# Altium PCB ESP32-C3_V1.PcbDoc (part 1 of 2) (continued)
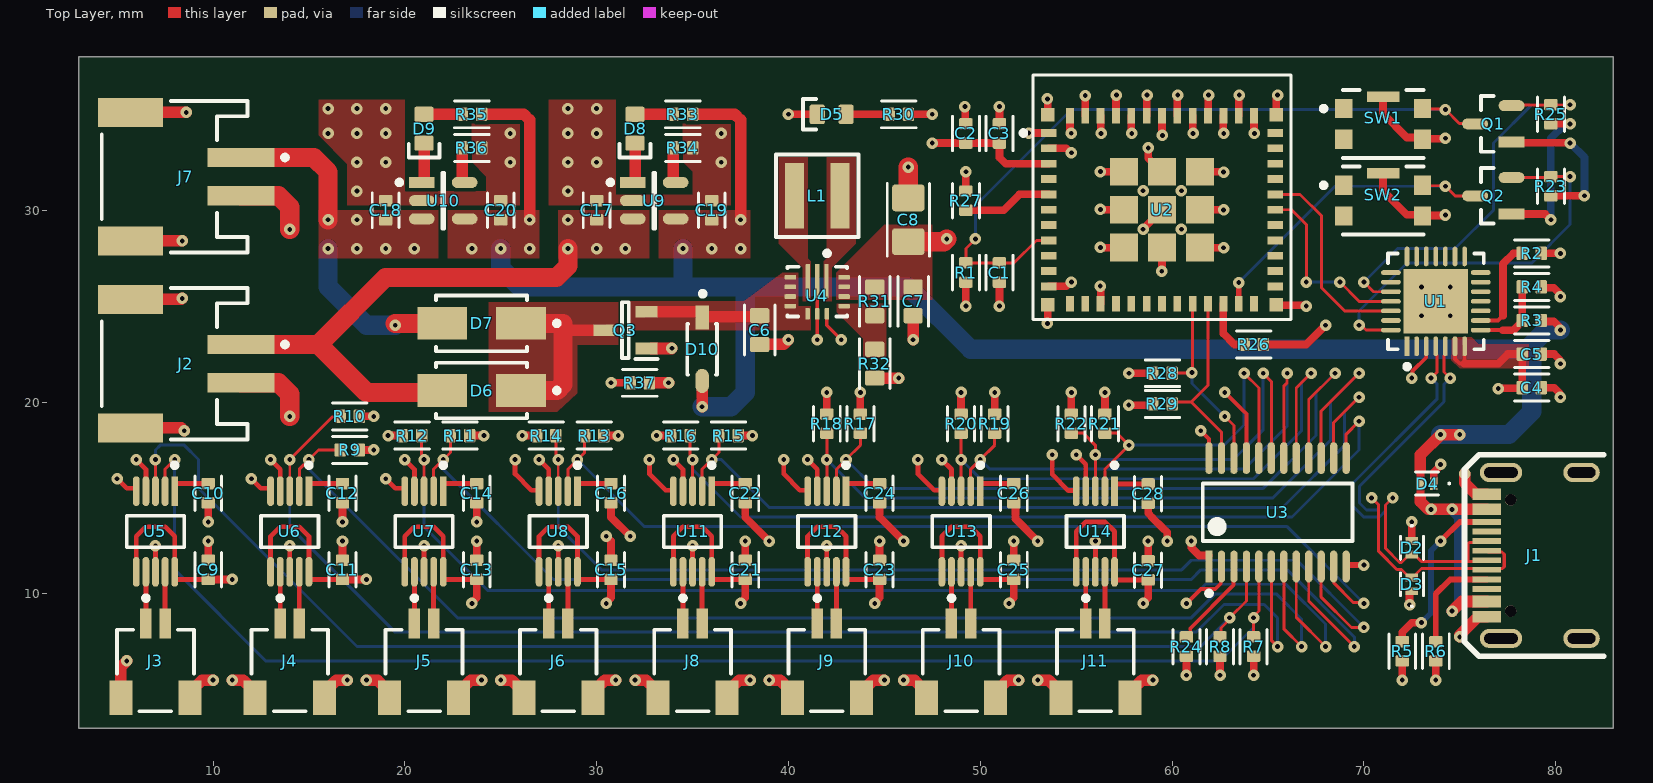
[diagram p0: Top Layer view]
## Part data (continued)
D5 D8 D9: library part 150060GS75000, "LED GREEN CLEAR 0603 SMD", Color=Green, Forward Current=30mA, JLCPCB Part=C5252984, Manufacturer="Wurth Electronics", Max Operating Temperature=85°C, Min Operating Temperature=-40°C, Supplier Part Number=732-4971-1-ND, Category=LEDs, Channels=1, ComponentLink1Description=https://datasheet.ciiva.com:443/pdfs/VipMasterIC/IC/MIDC/MIDC-S-A0007790169/MIDC-S-A0007790169-1.pdf?src-supplier=IHS+Markit, ComponentLink1URL=https://datasheet.ciiva.com:443/pdfs/VipMasterIC/IC/MIDC/MIDC-S-A0007790169/MIDC-S-A0007790169-1.pdf?src-supplier=IHS+Markit, ComponentLink2Description=https://datasheet.ciiva.com/29562/150060gs75000-29562868.pdf?src-supplier=Digikey, ComponentLink2URL=https://datasheet.ciiva.com/29562/150060gs75000-29562868.pdf?src-supplier=Digikey, ComponentLink3Description=https://datasheet.ciiva.com/29279/759427-da-01-en-chipled-0603-w-kl-gruen-150060gs75000-29279201.pdf?src-supplier=Conrad, ComponentLink3URL=https://datasheet.ciiva.com/29279/759427-da-01-en-chipled-0603-w-kl-gruen-150060gs75000-29279201.pdf?src-supplier=Conrad, ComponentLink4Description=https://datasheet.ciiva.com/29562/150060gs75000-29562869.pdf?src-supplier=Digikey, ComponentLink4URL=https://datasheet.ciiva.com/29562/150060gs75000-29562869.pdf?src-supplier=Digikey, ComponentLink5Description=https://datasheet.ciiva.com/29562/150060gs75000-29562870.pdf?src-supplier=Digikey, ComponentLink5URL=https://datasheet.ciiva.com/29562/150060gs75000-29562870.pdf?src-supplier=Digikey, Lens Style="WATER CLEAR", Luminous Intensity-Nom=430mcd, Manufacturer Part Number=150060GS75000, Mounting Technology="Surface Mount", Optoelectronic Device Type="SINGLE COLOR LED", Overall Height=0.7mm, Packaging="Tape and Reel", Pins=2, Pricing="1=0,14, 50=0,1278, 100=0,1098, 500=0,10124 (USD)", Reach SVHC Compliant=Yes, RoHS=Yes, RoHS Compliant=Yes, Shape=Rectangular, Size=1.1mm, Stock=127206, Supplier=Digikey, Terminal Pitch=1.6mm, Viewing Angle=140°
D6 D7: library part CDBA240LL-HF, "DIODE SCHOTTKY 40V 2A DO214AC", Forward Voltage=350mV, JLCPCB Part=C2886093, Manufacturer=Comchip, Max Operating Temperature=100°C, Max Output current=2A, Non-rep Pk Forward Current-Max=70A, Rep Pk Reverse Voltage-Max=40V, Supplier Part Number=641-1698-1-ND, Category="Rectifier Diodes", ComponentLink1Description=https://datasheet.ciiva.com:443/pdfs/VipMasterIC/IC/COMC/COMC-S-A0004523805/COMC-S-A0004523805-1.pdf?src-supplier=IHS+Markit, ComponentLink1URL=https://datasheet.ciiva.com:443/pdfs/VipMasterIC/IC/COMC/COMC-S-A0004523805/COMC-S-A0004523805-1.pdf?src-supplier=IHS+Markit, ComponentLink2Description=http://www.mouser.com/ds/2/80/CDBA240LL-HF%20RevC514247-365530.pdf?src-supplier=Mouser, ComponentLink2URL=http://www.mouser.com/ds/2/80/CDBA240LL-HF%20RevC514247-365530.pdf?src-supplier=Mouser, ComponentLink3Description="http://www.comchiptech.com/admin/files/product/CDBA240LL-HF RevC514247.pdf?src-supplier=Digikey", ComponentLink3URL="http://www.comchiptech.com/admin/files/product/CDBA240LL-HF RevC514247.pdf?src-supplier=Digikey", ComponentLink4Description=http://www.comchiptech.com/cms/UserFiles/CDBA240LL-HF%20RevC514247.pdf?src-supplier=Digikey, ComponentLink4URL=http://www.comchiptech.com/cms/UserFiles/CDBA240LL-HF%20RevC514247.pdf?src-supplier=Digikey, Diode Type=RECTIFIER, Manufacturer Part Number=CDBA240LL-HF, Number of Elements=1, Pricing="1=0,58, 10=0,492, 100=0,3727, 500=0,29744, 1000=0,22928, 2000=0,22727 (USD)", Reach SVHC Compliant=Yes, RoHS=Yes, RoHS Compliant=Yes, Stock=116723, Supplier=Digikey, Surface Mount=Yes, Technology=SCHOTTKY
D10: library part 1N5819HW-7-F, "DIODE SCHOTTKY 40V 1A SOD123", Forward Voltage=320mV, JLCPCB Part=C82544, Manufacturer=Diodes, Max Operating Temperature=125°C, Max Output current=1A, Max Power Dissipation=450mW, Min Operating Temperature=-65°C, Non-rep Pk Forward Current-Max=25A, Package Body Material=Plastic, Package Shape=Rectangular, Package Style="SMALL OUTLINEMeter", Peak Reflow Temperature (Cel)=260°C, Rep Pk Reverse Voltage-Max=40V, Supplier Part Number=7082197P, Time @ Peak Reflow Temperature-Max (s)=40s, Category=LDO, ComponentLink1Description=https://datasheet.ciiva.com:443/pdfs/VipMasterIC/IC/DIOD/DIOD-S-A0009689747/DIOD-S-A0009691035-1.pdf?src-supplier=IHS+Markit, ComponentLink1URL=https://datasheet.ciiva.com:443/pdfs/VipMasterIC/IC/DIOD/DIOD-S-A0009689747/DIOD-S-A0009691035-1.pdf?src-supplier=IHS+Markit, ComponentLink2Description=https://datasheet.ciiva.com/27092/1538419-27092484.pdf?src-supplier=Jameco, ComponentLink2URL=https://datasheet.ciiva.com/27092/1538419-27092484.pdf?src-supplier=Jameco, ComponentLink3Description=https://datasheet.ciiva.com/16303/ds30217-16303296.pdf?src-supplier=Future+Electronics, ComponentLink3URL=https://datasheet.ciiva.com/16303/ds30217-16303296.pdf?src-supplier=Future+Electronics, ComponentLink4Description=https://datasheet.ciiva.com/1177/ds30217-1177089.pdf?src-supplier=Element14, ComponentLink4URL=https://datasheet.ciiva.com/1177/ds30217-1177089.pdf?src-supplier=Element14, ComponentLink5Description=https://datasheet.ciiva.com/8303/ds30217-8303132.pdf?src-supplier=Avnet, ComponentLink5URL=https://datasheet.ciiva.com/8303/ds30217-8303132.pdf?src-supplier=Avnet, ComponentLink6Description=https://datasheet.ciiva.com/912/ds30217-912802.pdf?src-supplier=Digikey, ComponentLink6URL=https://datasheet.ciiva.com/912/ds30217-912802.pdf?src-supplier=Digikey, ComponentLink7Description=https://datasheet.ciiva.com/912/ds30217-912803.pdf?src-supplier=Digikey, ComponentLink7URL=https://datasheet.ciiva.com/912/ds30217-912803.pdf?src-supplier=Digikey, ComponentLink8Description=https://datasheet.ciiva.com/912/ds30217-912801.pdf?src-supplier=Digikey, ComponentLink8URL=https://datasheet.ciiva.com/912/ds30217-912801.pdf?src-supplier=Digikey, Diode Element Material=SILICON, Diode Type=RECTIFIER, JESD-30 Code=R-PDSO-G2, JESD-609 Code=e3, Manufacturer Part Number=1N5819HW-7-F, Moisture Sensitivity Level=1, Number of Elements=1, Pins=2, Pricing="150=0,172, 750=0,114, 1500=0,088 (EUR)", Qualification Status="Not Qualified", Reach SVHC Compliant=Yes, RoHS=Yes, RoHS Compliant=Yes, Stock=273725, Supplier=Rs, Surface Mount=Yes, Technology=SCHOTTKY, Terminal Finish=Tin, Terminal Form="Gull Wing", Terminal Position=DUAL
J1: "USB Type C Connector Horizontal SMT", JLCPCB Part=C165948, Manufacturer="Koren Hroparts", Manufacturer Part Number=TYPE-C-31-M-12
J2 J7: library part CMP-1755-00001-1, "Male Header, Pitch 2 mm, 1 x 2 Position, Height 5.5 mm, -25 to 85 degC, RoHS, Tape and Reel", Colour=Black, Current Rating="3 A", JLCPCB Part=C295747, Max Operating Temperature=105degC, Min Operating Temperature=-65degC, Package Quantity=100, ComponentLink1Description="Manufacturer URL", ComponentLink1URL=http://www.jst.com/home2.html, ComponentLink2Description=Datasheet, ComponentLink2URL=http://www.jst-mfg.com/product/pdf/eng/ePH.pdf, Contact Finish=Lead, Contact Material=Bronze, Contact Plating=Tin, DatasheetVersion=Dec-12, Height="8.13 mm", Lead Pitch="0.1 inch", Length="101.19 mm", Mount="Through Hole", PackageDescription="Male Header, Pitch 2 mm, 1 x 2 Position, Height 5.5 mm", PackageReference=S2B-PH-SM4-TB(LF)(SN)-2, Packaging=Bulk, Pins=40, Radiation Hardening=No, RoHSCompliant=True, Width="2.34 mm"
J3 J4 J5 J6 J8 J9 J10 J11: "CONN HEADER SMD R/A 2POS 1MM", JLCPCB Part=C160402, Manufacturer=JST, Supplier Part Number=1161645, Category="Headers and Wire Housings", ComponentLink1Description=https://datasheet.ciiva.com/26924/getdatasheetpartid-640850-26924055.pdf?src-supplier=Verical, ComponentLink1URL=https://datasheet.ciiva.com/26924/getdatasheetpartid-640850-26924055.pdf?src-supplier=Verical, ComponentLink2Description=https://datasheet.ciiva.com/8052/91630-8052284.pdf?src-supplier=Element14, ComponentLink2URL=https://datasheet.ciiva.com/8052/91630-8052284.pdf?src-supplier=Element14, ComponentLink3Description=https://datasheet.ciiva.com/712/esr-712467.pdf?src-supplier=Digikey, ComponentLink3URL=https://datasheet.ciiva.com/712/esr-712467.pdf?src-supplier=Digikey, ComponentLink4Description=https://datasheet.ciiva.com/712/esr-712468.pdf?src-supplier=Digikey, ComponentLink4URL=https://datasheet.ciiva.com/712/esr-712468.pdf?src-supplier=Digikey, ComponentLink5Description=https://datasheet.ciiva.com/730/esr-730600.pdf?src-supplier=Digikey, ComponentLink5URL=https://datasheet.ciiva.com/730/esr-730600.pdf?src-supplier=Digikey, ComponentLink6Description=https://datasheet.ciiva.com/16391/sm02b-srss-tblfsn-16391308.pdf?src-supplier=Future+Electronics, ComponentLink6URL=https://datasheet.ciiva.com/16391/sm02b-srss-tblfsn-16391308.pdf?src-supplier=Future+Electronics, Manufacturer Part Number=SM02B-SRSS-TB(LF)(SN), Pricing="3000=0,184, 6000=0,181, 9000=0,179 (USD)", RoHS=Yes, Stock=36000, Supplier="Future Electronics"
L1: library part XAL4020-102MEC, "FIXED IND 1UH 9.6A 14.6MOHM SM", Case/Size Code=1515, DC Resistance (DCR)=14.6mR, Inductor Application="POWER INDUCTOR", Inductor Type="GENERAL PURPOSE INDUCTOR", JLCPCB Part=C4555951, Manufacturer=Coilcraft, Max Current Rating=9.6A, Max Operating Temperature=130°C, Min Operating Temperature=-40°C, Package Height=2.1mm, Package Length=4mm, Package Style=SMTMeter, Self Resonant Frequency=79MHz, Supplier Part Number=994-XAL4020-102MEC, Test Frequency=100kHz, Tolerance=20%, Category="Fixed Inductors", Channels=1, ComponentLink1Description=https://datasheet.ciiva.com:443/pdfs/VipMasterIC/IC/COLC/COLC-S-A0006757288/COLC-S-A0006757288-1.pdf?src-supplier=IHS+Markit, ComponentLink1URL=https://datasheet.ciiva.com:443/pdfs/VipMasterIC/IC/COLC/COLC-S-A0006757288/COLC-S-A0006757288-1.pdf?src-supplier=IHS+Markit, ComponentLink2Description=http://www.farnell.com/datasheets/1681987.pdf?src-supplier=Farnell, ComponentLink2URL=http://www.farnell.com/datasheets/1681987.pdf?src-supplier=Farnell, ComponentLink3Description=http://www.mouser.com/ds/2/597/xal4000-270751.pdf?src-supplier=Mouser, ComponentLink3URL=http://www.mouser.com/ds/2/597/xal4000-270751.pdf?src-supplier=Mouser, Construction=Chip, Core Material=Composite, Inductance-Nom (L)=1uH, JESD-609 Code=e2, Manufacturer Part Number=XAL4020-102MEC, Package Width=4mm, Packaging="Tape and Reel", Pins=2, Pricing="1=2,36, 10=2,36, 50=2,36, 100=2,36, 1000=1,08, 10000=1,08 (USD)", Reach SVHC Compliant=Yes, Reference Standard=AEC-Q200, RoHS=Yes, RoHS Compliant=Yes, Shape/Size Description="RECTANGULAR PACKAGE", Shielding=Shielded, Stock=16639, Supplier=Mouser, Surface Mount=Yes, Terminal Finish=Tin, Terminal Placement="Dual Ended", Termination="One Surface"
Q1 Q2: "TRANS NPN 25V 1.5A SOT-23-3", JLCPCB Part=C3199946, Manufacturer=Comchip, Supplier Part Number=641-1790-1-ND, Category=Transistors, ComponentLink1Description=https://datasheet.ciiva.com:443/pdfs/VipMasterIC/IC/COMC/COMC-S-A0004994192/COMC-S-A0004994192-1.pdf?src-supplier=IHS+Markit, ComponentLink1URL=https://datasheet.ciiva.com:443/pdfs/VipMasterIC/IC/COMC/COMC-S-A0004994192/COMC-S-A0004994192-1.pdf?src-supplier=IHS+Markit, ComponentLink2Description="http://www.comchiptech.com/admin/files/product/SS8050-G RevA181526.pdf?src-supplier=Digikey", ComponentLink2URL="http://www.comchiptech.com/admin/files/product/SS8050-G RevA181526.pdf?src-supplier=Digikey", Manufacturer Part Number=SS8050-G, Pricing="1=0,24, 10=0,148, 100=0,0921, 500=0,06754, 1000=0,05958 (USD)", Reach SVHC Compliant=Yes, RoHS=Yes, RoHS Compliant=Yes, Stock=130035, Supplier=Digikey
Q3: "MOSFET P-CH 20V 4.3A SOT23", JLCPCB Part=C459541, Manufacturer=Diodes, Supplier Part Number=1827098P, Category=MOSFETs, ComponentLink1Description=https://datasheet.ciiva.com:443/pdfs/VipMasterIC/IC/DIOD/DIOD-S-A0007771249/DIOD-S-A0007771249-1.pdf?src-supplier=IHS+Markit, ComponentLink1URL=https://datasheet.ciiva.com:443/pdfs/VipMasterIC/IC/DIOD/DIOD-S-A0007771249/DIOD-S-A0007771249-1.pdf?src-supplier=IHS+Markit, ComponentLink2Description=https://datasheet.octopart.com/DMP2045U-7-Diodes-Inc.-datasheet-140438452.pdf?src-supplier=Newark, ComponentLink2URL=https://datasheet.octopart.com/DMP2045U-7-Diodes-Inc.-datasheet-140438452.pdf?src-supplier=Newark, ComponentLink3Description=https://www.diodes.com/assets/Datasheets/DMP2045U.pdf?src-supplier=Digikey, ComponentLink3URL=https://www.diodes.com/assets/Datasheets/DMP2045U.pdf?src-supplier=Digikey, ComponentLink4Description=https://datasheet.octopart.com/DMP2045U-7-Diodes-Inc.-datasheet-129878686.pdf?src-supplier=TME, ComponentLink4URL=https://datasheet.octopart.com/DMP2045U-7-Diodes-Inc.-datasheet-129878686.pdf?src-supplier=TME, Manufacturer Part Number=DMP2045U-7, Pricing="200=0,107, 500=0,085, 1000=0,077, 2000=0,071 (EUR)", Reach SVHC Compliant=Yes, RoHS=Yes, RoHS Compliant=Yes, Stock=64300, Supplier=Rs
R1 R7 R8 R9 R10 R11 R12 R13 R14 R15 R16 R17 R18 R19 R20 R21 R22 R23 R24 R25 R26 R27 R28 R29: library part AC0402FR-0710KL, "RES SMD 10K OHM 1% 1/16W 0402", Case/Package=0402, JLCPCB Part=C144807, Manufacturer=Yageo, Max Operating Temperature=155°C, Min Operating Temperature=-55°C, Package Height=0.32mm, Package Length=1mm, Package Shape=Rectangular, Package Width=0.5mm, Power=62.5mW, Rated Temperature=70°C, Resistor Type="FIXED RESISTOR", Supplier Part Number=YAG3436CT-ND, Temperature Coefficient (ppm/Cel)=100, Tolerance=1%, Working Voltage=50V, Additional Feature="LASER TRIMMABLE", Category="Chip SMD Resistors", ComponentLink1Description=https://datasheet.ciiva.com:443/pdfs/VipMasterIC/IC/YAGO/YAGO-S-A0003597364/YAGO-S-A0003597364-1.pdf?src-supplier=IHS+Markit, ComponentLink1URL=https://datasheet.ciiva.com:443/pdfs/VipMasterIC/IC/YAGO/YAGO-S-A0003597364/YAGO-S-A0003597364-1.pdf?src-supplier=IHS+Markit, ComponentLink2Description=https://datasheet.ciiva.com/12656/pyu-ac-51-rohs-l-2-12656634.pdf?src-supplier=Mouser, ComponentLink2URL=https://datasheet.ciiva.com/12656/pyu-ac-51-rohs-l-2-12656634.pdf?src-supplier=Mouser, Construction=Chip, JESD-609 Code=e3, Manufacturer Part Number=AC0402FR-0710KL, Mounting Technology="Surface Mount", Packaging="Tape and Reel", Pins=2, Pricing="1=0,1, 10=0,01, 50=0,0086, 100=0,0071, 500=0,00612, 1000=0,0051, 5000=0,00408 (USD)", Reach SVHC Compliant=Yes, Reference Standard=AEC-Q200, RoHS=Yes, RoHS Compliant=Yes, Stock=1219061, Supplier=Digikey, Technology="METAL GLAZE/THICK FILM", Terminal Finish=Nickel, Termination=Wraparound
R2 R30 R33 R35: library part RC0402JR-071KL, "RES 1K OHM 5% 1/16W 0402", Case/Package=0402, JLCPCB Part=C105637, Manufacturer=Yageo, Max Operating Temperature=155°C, Min Operating Temperature=-55°C, Package Height=0.35mm, Package Length=1mm, Package Shape=Rectangular, Package Width=0.5mm, Power=62.5mW, Rated Temperature=70°C, Resistor Type="FIXED RESISTOR", Supplier Part Number=311-1.0KJRCT-ND, Temperature Coefficient (ppm/Cel)=100, Tolerance=5%, Working Voltage=50V, Additional Feature="LASER TRIMMABLE", Category="Chip SMD Resistors", ComponentLink1Description=https://datasheet.ciiva.com:443/pdfs/VipMasterIC/IC/YAGO/YAGO-S-A0008145938/YAGO-S-A0008145938-1.pdf?src-supplier=IHS+Markit, ComponentLink1URL=https://datasheet.ciiva.com:443/pdfs/VipMasterIC/IC/YAGO/YAGO-S-A0008145938/YAGO-S-A0008145938-1.pdf?src-supplier=IHS+Markit, Construction=Chip, JESD-609 Code=e3, Manufacturer Part Number=RC0402JR-071KL, Mounting Technology="Surface Mount", Packaging="Tape and Reel", Pins=2, Pricing="1=0,1, 10=0,009, 50=0,0076, 100=0,0061, 500=0,0056, 1000=0,0051, 5000=0,00408 (USD)", Reach SVHC Compliant=Yes, RoHS=Yes, RoHS Compliant=Yes, Stock=12327714, Supplier=Digikey, Technology="METAL GLAZE/THICK FILM", Terminal Finish=Nickel, Termination=Wraparound
R3: library part RC0402FR-0722K1L, "RES 22.1K OHM 1% 1/16W 0402", Case/Package=0402, JLCPCB Part=C163478, Manufacturer=Yageo, Max Operating Temperature=155°C, Min Operating Temperature=-55°C, Package Height=0.35mm, Package Length=1mm, Package Shape=Rectangular, Package Width=0.5mm, Power=62.5mW, Rated Temperature=70°C, Resistor Type="FIXED RESISTOR", Supplier Part Number=1987704, Temperature Coefficient (ppm/Cel)=100, Tolerance=1%, Working Voltage=50V, Additional Feature="LASER TRIMMABLE", Category="Chip SMD Resistors", ComponentLink1Description=https://datasheet.ciiva.com:443/pdfs/VipMasterIC/IC/YAGO/YAGO-S-A0008145938/YAGO-S-A0008145938-1.pdf?src-supplier=IHS+Markit, ComponentLink1URL=https://datasheet.ciiva.com:443/pdfs/VipMasterIC/IC/YAGO/YAGO-S-A0008145938/YAGO-S-A0008145938-1.pdf?src-supplier=IHS+Markit, ComponentLink2Description=https://datasheet.ciiva.com/7983/1018594-7983501.pdf?src-supplier=Element14, ComponentLink2URL=https://datasheet.ciiva.com/7983/1018594-7983501.pdf?src-supplier=Element14, Construction=Chip, JESD-609 Code=e3, Manufacturer Part Number=RC0402FR-0722K1L, Mounting Technology="Surface Mount", Packaging="Tape and Reel", Pins=2, Pricing="100=0,005, 1000=0,004, 2500=0,004, 5000=0,004, 10000=0,004 (EUR)", Reach SVHC Compliant=Yes, RoHS=Yes, RoHS Compliant=Yes, Stock=5700, Supplier=Rs, Technology="METAL GLAZE/THICK FILM", Terminal Finish=Nickel, Termination=Wraparound
R4: library part RC0402FR-0747K5L, "RES 47.5K OHM 1% 1/16W 0402", Case/Package=0402, JLCPCB Part=C137974, Manufacturer=Yageo, Max Operating Temperature=155°C, Min Operating Temperature=-55°C, Package Height=0.35mm, Package Length=1mm, Package Shape=Rectangular, Package Width=0.5mm, Power=62.5mW, Rated Temperature=70°C, Resistor Type="FIXED RESISTOR", Supplier Part Number=1987797, Temperature Coefficient (ppm/Cel)=100, Tolerance=1%, Working Voltage=50V, Additional Feature="LASER TRIMMABLE", Category="Chip SMD Resistors", ComponentLink1Description=https://datasheet.ciiva.com:443/pdfs/VipMasterIC/IC/YAGO/YAGO-S-A0008145938/YAGO-S-A0008145938-1.pdf?src-supplier=IHS+Markit, ComponentLink1URL=https://datasheet.ciiva.com:443/pdfs/VipMasterIC/IC/YAGO/YAGO-S-A0008145938/YAGO-S-A0008145938-1.pdf?src-supplier=IHS+Markit, ComponentLink2Description=https://datasheet.ciiva.com/46394/1018594-46394942.pdf?src-supplier=Element14, ComponentLink2URL=https://datasheet.ciiva.com/46394/1018594-46394942.pdf?src-supplier=Element14, ComponentLink3Description=https://datasheet.ciiva.com/12667/pyu-rc0402-51-rohs-l-6-r-12667103.pdf?src-supplier=Mouser, ComponentLink3URL=https://datasheet.ciiva.com/12667/pyu-rc0402-51-rohs-l-6-r-12667103.pdf?src-supplier=Mouser, ComponentLink4Description=https://datasheet.ciiva.com/16746/pyu-rc0402-51-rohs-l-6-r-16746316.pdf?src-supplier=Future+Electronics, ComponentLink4URL=https://datasheet.ciiva.com/16746/pyu-rc0402-51-rohs-l-6-r-16746316.pdf?src-supplier=Future+Electronics, Construction=Chip, JESD-609 Code=e3, Manufacturer Part Number=RC0402FR-0747K5L, Mounting Technology="Surface Mount", Packaging="Tape and Reel", Pins=2, Pricing="100=0,005, 1000=0,004, 2500=0,004, 5000=0,004, 10000=0,004 (EUR)", Reach SVHC Compliant=Yes, RoHS=Yes, RoHS Compliant=Yes, Stock=1100, Supplier=Rs, Technology="METAL GLAZE/THICK FILM", Terminal Finish=Nickel, Termination=Wraparound
R5 R6: library part AC0402FR-075K1L, "RES SMD 5.1K OHM 1% 1/16W 0402", Case/Package=0402, JLCPCB Part=C144745, Manufacturer=Yageo, Max Operating Temperature=155°C, Min Operating Temperature=-55°C, Package Height=0.32mm, Package Length=1mm, Package Shape=Rectangular, Package Width=0.5mm, Power=62.5mW, Rated Temperature=70°C, Resistor Type="FIXED RESISTOR", Supplier Part Number=YAG3503CT-ND, Temperature Coefficient (ppm/Cel)=100, Tolerance=1%, Working Voltage=50V, Additional Feature="LASER TRIMMABLE", Category="Chip SMD Resistors", ComponentLink1Description=https://datasheet.ciiva.com:443/pdfs/VipMasterIC/IC/YAGO/YAGO-S-A0003597364/YAGO-S-A0003597364-1.pdf?src-supplier=IHS+Markit, ComponentLink1URL=https://datasheet.ciiva.com:443/pdfs/VipMasterIC/IC/YAGO/YAGO-S-A0003597364/YAGO-S-A0003597364-1.pdf?src-supplier=IHS+Markit, ComponentLink2Description=https://datasheet.octopart.com/AC0402FR-075K1L-Yageo-datasheet-166720450.pdf?src-supplier=Future+Electronics, ComponentLink2URL=https://datasheet.octopart.com/AC0402FR-075K1L-Yageo-datasheet-166720450.pdf?src-supplier=Future+Electronics, ComponentLink3Description=http://www.yageo.com/documents/recent/PYu-AC_51_RoHS_L_2_revised.pdf?src-supplier=Future+Electronics, ComponentLink3URL=http://www.yageo.com/documents/recent/PYu-AC_51_RoHS_L_2_revised.pdf?src-supplier=Future+Electronics, Construction=Chip, JESD-609 Code=e3, Manufacturer Part Number=AC0402FR-075K1L, Mounting Technology="Surface Mount", Packaging="Tape and Reel", Pins=2, Pricing="1=0,1, 10=0,01, 50=0,0086, 100=0,0071, 500=0,00612, 1000=0,0051, 5000=0,00408 (USD)", Reach SVHC Compliant=Yes, Reference Standard=AEC-Q200, RoHS=Yes, RoHS Compliant=Yes, Stock=47596, Supplier=Digikey, Technology="METAL GLAZE/THICK FILM", Terminal Finish=Nickel, Termination=Wraparound
R31: library part AC0603FR-07562KL, "RES SMD 562K OHM 1% 1/10W 0603", Case/Package=0603, JLCPCB Part=C227963, Manufacturer=Yageo, Max Operating Temperature=155°C, Min Operating Temperature=-55°C, Package Height=0.45mm, Package Length=1.6mm, Package Shape=Rectangular, Package Width=0.8mm, Power=100mW, Rated Temperature=70°C, Resistor Type="FIXED RESISTOR", Supplier Part Number=13-AC0603FR-07562KLCT-ND, Temperature Coefficient (ppm/Cel)=100, Tolerance=1%, Working Voltage=75V, Additional Feature="LASER TRIMMABLE", Category="Chip SMD Resistors", ComponentLink1Description=https://datasheet.ciiva.com:443/pdfs/VipMasterIC/IC/YAGO/YAGO-S-A0003597364/YAGO-S-A0003597364-1.pdf?src-supplier=IHS+Markit, ComponentLink1URL=https://datasheet.ciiva.com:443/pdfs/VipMasterIC/IC/YAGO/YAGO-S-A0003597364/YAGO-S-A0003597364-1.pdf?src-supplier=IHS+Markit, ComponentLink2Description=https://datasheet.ciiva.com/12576/pyu-ac-51-rohs-l-2-12576774.pdf?src-supplier=Mouser, ComponentLink2URL=https://datasheet.ciiva.com/12576/pyu-ac-51-rohs-l-2-12576774.pdf?src-supplier=Mouser, Construction=Chip, JESD-609 Code=e3, Manufacturer Part Number=AC0603FR-07562KL, Mounting Technology="Surface Mount", Packaging="Tape and Reel", Pins=2, Pricing="1=0,1, 10=0,009, 50=0,0076, 100=0,0061, 500=0,0056, 1000=0,0051 (USD)", Reach SVHC Compliant=Yes, Reference Standard=AEC-Q200, RoHS=Yes, RoHS Compliant=Yes, Stock=16486, Supplier=Digikey, Technology="METAL GLAZE/THICK FILM", Terminal Finish=Nickel, Termination=Wraparound
R32: library part RC0603FR-07180KL, "RES 180K OHM 1% 1/10W 0603", Case/Package=0603, JLCPCB Part=C123419, Manufacturer=Yageo, Max Operating Temperature=155°C, Min Operating Temperature=-55°C, Package Height=0.45mm, Package Length=1.6mm, Package Shape=Rectangular, Package Width=0.8mm, Power=100mW, Rated Temperature=70°C, Resistor Type="FIXED RESISTOR", Supplier Part Number=311-180KHRCT-ND, Temperature Coefficient (ppm/Cel)=100, Tolerance=1%, Working Voltage=75V, Additional Feature="LASER TRIMMABLE", Category="Chip SMD Resistors", ComponentLink1Description=https://datasheet.ciiva.com:443/pdfs/VipMasterIC/IC/YAGO/YAGO-S-A0008145938/YAGO-S-A0008145938-1.pdf?src-supplier=IHS+Markit, ComponentLink1URL=https://datasheet.ciiva.com:443/pdfs/VipMasterIC/IC/YAGO/YAGO-S-A0008145938/YAGO-S-A0008145938-1.pdf?src-supplier=IHS+Markit, ComponentLink2Description=https://datasheet.ciiva.com/11819/0900766b80f96399-11819273.pdf?src-supplier=Rs, ComponentLink2URL=https://datasheet.ciiva.com/11819/0900766b80f96399-11819273.pdf?src-supplier=Rs, ComponentLink3Description=https://datasheet.ciiva.com/2508/pyu-r-int-thick-7-2508492.pdf?src-supplier=Digikey, ComponentLink3URL=https://datasheet.ciiva.com/2508/pyu-r-int-thick-7-2508492.pdf?src-supplier=Digikey, ComponentLink4Description=https://datasheet.ciiva.com/2508/pyu-r-int-thick-7-2508493.pdf?src-supplier=Digikey, ComponentLink4URL=https://datasheet.ciiva.com/2508/pyu-r-int-thick-7-2508493.pdf?src-supplier=Digikey, ComponentLink5Description=https://datasheet.ciiva.com/2508/pyu-r-int-thick-7-2508491.pdf?src-supplier=Digikey, ComponentLink5URL=https://datasheet.ciiva.com/2508/pyu-r-int-thick-7-2508491.pdf?src-supplier=Digikey, ComponentLink6Description=https://datasheet.ciiva.com/5561/rc0603-272842-5561848.pdf?src-supplier=Mouser, ComponentLink6URL=https://datasheet.ciiva.com/5561/rc0603-272842-5561848.pdf?src-supplier=Mouser, ComponentLink7Description=https://datasheet.ciiva.com/7746/443971-7746265.pdf?src-supplier=Element14, ComponentLink7URL=https://datasheet.ciiva.com/7746/443971-7746265.pdf?src-supplier=Element14, ComponentLink8Description=https://datasheet.ciiva.com/7746/443971-7746264.pdf?src-supplier=Element14, ComponentLink8URL=https://datasheet.ciiva.com/7746/443971-7746264.pdf?src-supplier=Element14, Construction=Chip, JESD-609 Code=e3, Manufacturer Part Number=RC0603FR-07180KL, Mounting Technology="Surface Mount", Packaging="Tape and Reel", Pins=2, Pricing="1=0,1, 10=0,01, 50=0,0086, 100=0,0071, 500=0,00612, 1000=0,0051 (USD)", Reach SVHC Compliant=Yes, RoHS=Yes, RoHS Compliant=Yes, Stock=82527, Supplier=Digikey, Technology="METAL GLAZE/THICK FILM", Terminal Finish=Nickel, Termination=Wraparound
R34 R36: library part RC0402FR-072K7L, "RES 2.7K OHM 1% 1/16W 0402", Case/Package=0402, JLCPCB Part=C138017, Manufacturer=Yageo, Max Operating Temperature=155°C, Min Operating Temperature=-55°C, Package Height=0.35mm, Package Length=1mm, Package Shape=Rectangular, Package Width=0.5mm, Power=62.5mW, Rated Temperature=70°C, Resistor Type="FIXED RESISTOR", Supplier Part Number=311-2.70KLRCT-ND, Temperature Coefficient (ppm/Cel)=100, Tolerance=1%, Working Voltage=50V, Additional Feature="LASER TRIMMABLE", Category="Chip SMD Resistors", ComponentLink1Description=https://datasheet.ciiva.com:443/pdfs/VipMasterIC/IC/YAGO/YAGO-S-A0008145938/YAGO-S-A0008145938-1.pdf?src-supplier=IHS+Markit, ComponentLink1URL=https://datasheet.ciiva.com:443/pdfs/VipMasterIC/IC/YAGO/YAGO-S-A0008145938/YAGO-S-A0008145938-1.pdf?src-supplier=IHS+Markit, ComponentLink2Description=https://datasheet.ciiva.com/2519/pyu-r-int-thick-7-2519163.pdf?src-supplier=Digikey, ComponentLink2URL=https://datasheet.ciiva.com/2519/pyu-r-int-thick-7-2519163.pdf?src-supplier=Digikey, ComponentLink3Description=https://datasheet.ciiva.com/2519/pyu-r-int-thick-7-2519164.pdf?src-supplier=Digikey, ComponentLink3URL=https://datasheet.ciiva.com/2519/pyu-r-int-thick-7-2519164.pdf?src-supplier=Digikey, ComponentLink4Description=https://datasheet.ciiva.com/2519/pyu-r-int-thick-7-2519162.pdf?src-supplier=Digikey, ComponentLink4URL=https://datasheet.ciiva.com/2519/pyu-r-int-thick-7-2519162.pdf?src-supplier=Digikey, ComponentLink5Description=https://datasheet.ciiva.com/12656/pyu-rc0402-51-rohs-l-6-r-12656777.pdf?src-supplier=Mouser, ComponentLink5URL=https://datasheet.ciiva.com/12656/pyu-rc0402-51-rohs-l-6-r-12656777.pdf?src-supplier=Mouser, ComponentLink6Description=https://datasheet.ciiva.com/7849/1018594-7849932.pdf?src-supplier=Element14, ComponentLink6URL=https://datasheet.ciiva.com/7849/1018594-7849932.pdf?src-supplier=Element14, ComponentLink7Description=https://datasheet.ciiva.com/7849/1018594-7849933.pdf?src-supplier=Element14, ComponentLink7URL=https://datasheet.ciiva.com/7849/1018594-7849933.pdf?src-supplier=Element14, Construction=Chip, JESD-609 Code=e3, Manufacturer Part Number=RC0402FR-072K7L, Mounting Technology="Surface Mount", Packaging="Tape and Reel", Pins=2, Pricing="1=0,1, 10=0,009, 50=0,0072, 100=0,0051, 500=0,00408, 1000=0,00306, 5000=0,00293 (USD)", Reach SVHC Compliant=Yes, RoHS=Yes, RoHS Compliant=Yes, Stock=1418988, Supplier=Digikey, Technology="METAL GLAZE/THICK FILM", Terminal Finish=Nickel, Termination=Wraparound
R37: library part RC0402FR-07100KL, "RES 100K OHM 1% 1/16W 0402", Case/Package=0402, JLCPCB Part=C60491, Manufacturer=Yageo, Max Operating Temperature=155°C, Min Operating Temperature=-55°C, Package Height=0.35mm, Package Length=1mm, Package Shape=Rectangular, Package Width=0.5mm, Power=62.5mW, Rated Temperature=70°C, Resistor Type="FIXED RESISTOR", Supplier Part Number=1987640, Temperature Coefficient (ppm/Cel)=100, Tolerance=1%, Working Voltage=50V, Additional Feature="LASER TRIMMABLE", Category="Chip SMD Resistors", ComponentLink1Description=https://datasheet.ciiva.com:443/pdfs/VipMasterIC/IC/YAGO/YAGO-S-A0008145938/YAGO-S-A0008145938-1.pdf?src-supplier=IHS+Markit, ComponentLink1URL=https://datasheet.ciiva.com:443/pdfs/VipMasterIC/IC/YAGO/YAGO-S-A0008145938/YAGO-S-A0008145938-1.pdf?src-supplier=IHS+Markit, ComponentLink2Description=https://datasheet.ciiva.com/11819/0900766b80c66297-11819452.pdf?src-supplier=Rs, ComponentLink2URL=https://datasheet.ciiva.com/11819/0900766b80c66297-11819452.pdf?src-supplier=Rs, ComponentLink3Description=https://datasheet.ciiva.com/12667/pyu-rc0402-51-rohs-l-6-r-12667930.pdf?src-supplier=Mouser, ComponentLink3URL=https://datasheet.ciiva.com/12667/pyu-rc0402-51-rohs-l-6-r-12667930.pdf?src-supplier=Mouser, ComponentLink4Description=https://datasheet.ciiva.com/15189/getdatasheetpartid-323696-15189334.pdf?src-supplier=Verical, ComponentLink4URL=https://datasheet.ciiva.com/15189/getdatasheetpartid-323696-15189334.pdf?src-supplier=Verical, ComponentLink5Description=https://datasheet.ciiva.com/22747/1018594-22747509.pdf?src-supplier=Element14, ComponentLink5URL=https://datasheet.ciiva.com/22747/1018594-22747509.pdf?src-supplier=Element14, ComponentLink6Description=https://datasheet.ciiva.com/2453/pyu-r-int-thick-7-2453362.pdf?src-supplier=Digikey, ComponentLink6URL=https://datasheet.ciiva.com/2453/pyu-r-int-thick-7-2453362.pdf?src-supplier=Digikey, ComponentLink7Description=https://datasheet.ciiva.com/2453/pyu-r-int-thick-7-2453363.pdf?src-supplier=Digikey, ComponentLink7URL=https://datasheet.ciiva.com/2453/pyu-r-int-thick-7-2453363.pdf?src-supplier=Digikey, ComponentLink8Description=https://datasheet.ciiva.com/2453/pyu-r-int-thick-7-2453361.pdf?src-supplier=Digikey, ComponentLink8URL=https://datasheet.ciiva.com/2453/pyu-r-int-thick-7-2453361.pdf?src-supplier=Digikey, Construction=Chip, JESD-609 Code=e3, Manufacturer Part Number=RC0402FR-07100KL, Mounting Technology="Surface Mount", Packaging="Tape and Reel", Pins=2, Pricing="100=0,005, 500=0,004, 1000=0,004, 2500=0,004, 5000=0,003 (EUR)", Reach SVHC Compliant=Yes, RoHS=Yes, RoHS Compliant=Yes, Stock=26400, Supplier=Rs, Technology="METAL GLAZE/THICK FILM", Terminal Finish=Nickel, Termination=Wraparound
SW1 SW2: "SWITCH TACTILE SPST-NO 0.05A 32V", Contact Current(DC)-Max=50mA, Contact DC Max Rating R Load=.05A@32VDC, Contact Resistance=0.1mR, Contact Voltage(DC)-Max=32V, Dielectric Withstand Volts=250VRMSV, Insulation Resistance=1GR, JLCPCB Part=C72443, Manufacturer="ITT C&K", Manufacturer Series=KMR2, Max Operating Temperature=85°C, Min Operating Temperature=-40°C, Operating Force-Max=2.5N, Supplier Part Number=401-1427-1-ND, Actuator Length=0.02inch, Actuator Travel=0.254mm, Actuator Type="STANDARD TYPE", Additional Feature="ROHS COMPLIANT", Body Breadth=2.8mm, Body Height=1.4mm, Body Length or Diameter=4.1mm, Category="Tactile Switches", Circuit Configuration=1X1, ComponentLink1Description=https://datasheet.ciiva.com:443/pdfs/VipMasterIC/IC/CKCI/CKCI-S-A0001796527/CKCI-S-A0002249421-1.pdf?src-supplier=IHS+Markit, ComponentLink1URL=https://datasheet.ciiva.com:443/pdfs/VipMasterIC/IC/CKCI/CKCI-S-A0001796527/CKCI-S-A0002249421-1.pdf?src-supplier=IHS+Markit, ComponentLink2Description=https://datasheet.ciiva.com/6797/19436-6797607.pdf?src-supplier=Newark, ComponentLink2URL=https://datasheet.ciiva.com/6797/19436-6797607.pdf?src-supplier=Newark, ComponentLink3Description=https://datasheet.ciiva.com/22712/1685525-22712100.pdf?src-supplier=Element14, ComponentLink3URL=https://datasheet.ciiva.com/22712/1685525-22712100.pdf?src-supplier=Element14, ComponentLink4Description=https://datasheet.ciiva.com/16395/kmr221glfs-16395984.pdf?src-supplier=Future+Electronics, ComponentLink4URL=https://datasheet.ciiva.com/16395/kmr221glfs-16395984.pdf?src-supplier=Future+Electronics, ComponentLink5Description=https://datasheet.ciiva.com/2900/kmr2-9aug12-2900166.pdf?src-supplier=Digikey, ComponentLink5URL=https://datasheet.ciiva.com/2900/kmr2-9aug12-2900166.pdf?src-supplier=Digikey, ComponentLink6Description=https://datasheet.ciiva.com/2900/kmr2-9aug12-2900167.pdf?src-supplier=Digikey, ComponentLink6URL=https://datasheet.ciiva.com/2900/kmr2-9aug12-2900167.pdf?src-supplier=Digikey, ComponentLink7Description=https://datasheet.ciiva.com/2900/kmr2-9aug12-2900168.pdf?src-supplier=Digikey, ComponentLink7URL=https://datasheet.ciiva.com/2900/kmr2-9aug12-2900168.pdf?src-supplier=Digikey, ComponentLink8Description=https://datasheet.ciiva.com/22768/1685525-22768886.pdf?src-supplier=Farnell, ComponentLink8URL=https://datasheet.ciiva.com/22768/1685525-22768886.pdf?src-supplier=Farnell, ComponentLink9Description=https://datasheet.ciiva.com/18144/getdatasheetpartid-41494-18144716.pdf?src-supplier=Verical, ComponentLink9URL=https://datasheet.ciiva.com/18144/getdatasheetpartid-41494-18144716.pdf?src-supplier=Verical, ComponentLink10Description=https://datasheet.ciiva.com/7986/1685525-7986952.pdf?src-supplier=Element14, ComponentLink10URL=https://datasheet.ciiva.com/7986/1685525-7986952.pdf?src-supplier=Element14, Contact Bounce Time-Max=1ms, Contact Material=Silver, End Contact Material=Silver, JESD-609 Code=e4, Manufacturer Part Number=KMR221GLFS, Mounting Technology="Surface Mount", Number of Switches=1, Packaging="Tape and Reel", Pricing="1=0,67, 10=0,542, 25=0,4988, 100=0,4396, 250=0,404, 500=0,37872, 1000=0,35479, 2500=0,32508 (USD)", Reach SVHC Compliant=Yes, RoHS=Yes, RoHS Compliant=Yes, Sealing=IP40, Solderability=REFLOW, Stock=41640, Supplier=Digikey, Switch Action=MOMENTARY-TACTILE, Switch Function=SPST, Switch Type=Keypad, Terminal Finish=Silver, Termination=Solder
U1: "IC USB TO UART BRIDGE QFN28", JLCPCB Part=C1550553, Manufacturer="Silicon Labs", Supplier Part Number=1871341P, Category="USB Interface ICs", ComponentLink1Description=https://datasheet.ciiva.com:443/pdfs/VipMasterIC/IC/SILC/SILC-S-A0007770867/SILC-S-A0007770867-1.pdf?src-supplier=IHS+Markit, ComponentLink1URL=https://datasheet.ciiva.com:443/pdfs/VipMasterIC/IC/SILC/SILC-S-A0007770867/SILC-S-A0007770867-1.pdf?src-supplier=IHS+Markit, Manufacturer Part Number=CP2102N-A02-GQFN28, Pricing="40=2,763, 100=2,688, 200=2,613, 400=2,545 (EUR)", RoHS=Yes, Stock=1963, Supplier=Rs
U2: "RF TXRX MOD BT WIFIU.FL SMD", JLCPCB Part=C2911374, Manufacturer="Espressif Systems", Supplier Part Number=1965-ESP32-C3-MINI-1U-N4CT-ND, Category=LDO, Manufacturer Part Number=ESP32-C3-MINI-1U-N4, Pricing="1=1,9 (USD)", RoHS=No, Stock=5916, Supplier=Digikey
U3: "IC BUS SWITCH 1 X 8:1 24TSSOP", Case/Package=TSSOP, JLCPCB Part=C130026, Manufacturer="Texas Instruments", Max Operating Temperature=85°C, Max Supply Voltage=5.5V, Min Operating Temperature=-40°C, Min Supply Voltage=1.65V, Nominal Supply Voltage=1.8V, Package Body Material=Plastic, Package Shape=Rectangular, Package Style="SMALL OUTLINE, THIN PROFILE, SHRINK PITCHMeter", Peak Reflow Temperature (Cel)=260°C, Supplier Part Number=595-TCA9548APWR, Temperature Grade=INDUSTRIAL, Category="Decoders and Multiplexers", Channels=1, ComponentLink1Description=https://www.ti.com:443/lit/ds/symlink/tca9548a.pdf?src-supplier=IHS+Markit, ComponentLink1URL=https://www.ti.com:443/lit/ds/symlink/tca9548a.pdf?src-supplier=IHS+Markit, ComponentLink2Description=https://datasheet.ciiva.com/6614/tca9548a-6614721.pdf?src-supplier=Digikey, ComponentLink2URL=https://datasheet.ciiva.com/6614/tca9548a-6614721.pdf?src-supplier=Digikey, Height - Seated (Max)=1.2mm, JESD-30 Code=R-PDSO-G24, JESD-609 Code=e4, Length=7.8mm, Logic Type=MULTIPLEXER, Manufacturer Part Number=TCA9548APWR, Moisture Sensitivity Level=1, Number of Inputs=1, Number of Outputs=8, Output Polarity=True, Pins=24, Pricing="1=1,17, 10=0,765, 50=0,765, 100=0,633, 1000=0,587, 10000=0,534 (USD)", Propagation Delay (tpd)=1ns, Reach SVHC Compliant=Yes, RoHS=Yes, RoHS Compliant=Yes, Stock=6650, Supplier=Mouser, Surface Mount=Yes, Terminal Finish=Nickel, Terminal Form="Gull Wing", Terminal Pitch=0.65mm, Terminal Position=DUAL, Width=4.4mm
U4: "IC REG BCK BST ADJ 2A/4A 14VQFN", Case/Package=VQCCN, Frequency=2.5MHz, JLCPCB Part=C2070882, Manufacturer="Texas Instruments", Max Operating Temperature=85°C, Max Supply Voltage=5.5V, Min Input Voltage=2.3V, Min Operating Temperature=-40°C, Nominal Supply Voltage=2.8V, Package Body Material=Plastic, Package Shape=Rectangular, Package Style="CHIP CARRIER, VERY THIN PROFILEMeter", Supplier Part Number=296-42036-1-ND, Temperature Grade=INDUSTRIAL, Category="Voltage Regulators - Switching", Channels=1, ComponentLink1Description=https://www.ti.com:443/lit/ds/symlink/tps630250.pdf?src-supplier=IHS+Markit, ComponentLink1URL=https://www.ti.com:443/lit/ds/symlink/tps630250.pdf?src-supplier=IHS+Markit, ComponentLink2Description=http://www.ti.com/general/docs/lit/getliterature.tsp?genericPartNumber=TPS630250&&fileType=pdf&src-supplier=Element14, ComponentLink2URL=http://www.ti.com/general/docs/lit/getliterature.tsp?genericPartNumber=TPS630250&&fileType=pdf&src-supplier=Element14, ComponentLink3Description=http://www.ti.com/lit/ds/symlink/tps630250.pdf?src-supplier=Digikey, ComponentLink3URL=http://www.ti.com/lit/ds/symlink/tps630250.pdf?src-supplier=Digikey, ComponentLink4Description=http://www.ti.com/general/docs/lit/getliterature.tsp?genericPartNumber=TPS630251&&fileType=pdf&src-supplier=Avnet, ComponentLink4URL=http://www.ti.com/general/docs/lit/getliterature.tsp?genericPartNumber=TPS630251&&fileType=pdf&src-supplier=Avnet, ComponentLink5Description=http://www.ti.com/general/docs/lit/getliterature.tsp?genericPartNumber=TPS630250&amp;&amp;fileType=pdf&src-supplier=Farnell, ComponentLink5URL=http://www.ti.com/general/docs/lit/getliterature.tsp?genericPartNumber=TPS630250&amp;&amp;fileType=pdf&src-supplier=Farnell, Control Mode=CURRENT-MODE, Control Technique="PULSE WIDTH MODULATION", Height - Seated (Max)=1mm, JESD-609 Code=e4, Length=3mm, Manufacturer Part Number=TPS630250RNCT, Moisture Sensitivity Level=1, Pins=14, Pricing="1=3,94, 10=2,977, 25=2,736, 100=2,4713 (USD)", Reach SVHC Compliant=Yes, RoHS=Yes, RoHS Compliant=Yes, Stock=15202, Supplier=Digikey, Surface Mount=Yes, Switcher Configuration=BUCK-BOOST, Terminal Finish=Nickel, Terminal Form="No Lead", Terminal Pitch=0.5mm, Terminal Position=QUAD, Throw Configuration="SWITCHING REGULATOR", Width=2.5mm
U5 U6 U7 U8 U11 U12 U13 U14: "IC MOTOR DRIVER 2V-5.5V 10VSSOP", Case/Package=TSSOP, JLCPCB Part=C527464, Manufacturer="Texas Instruments", Max Operating Temperature=85°C, Max Supply Voltage=5.2V, Min Operating Temperature=-40°C, Min Supply Voltage=2V, Nominal Supply Voltage=3.6V, Package Body Material=Plastic, Package Shape=Square, Package Style="SMALL OUTLINE, THIN PROFILE, SHRINK PITCHMeter", Peak Reflow Temperature (Cel)=260°C, Supplier Part Number=595-DRV2605LDGSR, Temperature Grade=INDUSTRIAL, Category="Motor Drivers", Channels=1, ComponentLink1Description=https://www.ti.com:443/lit/ds/symlink/drv2605l.pdf?src-supplier=IHS+Markit, ComponentLink1URL=https://www.ti.com:443/lit/ds/symlink/drv2605l.pdf?src-supplier=IHS+Markit, ComponentLink2Description=http://www.ti.com/lit/ds/symlink/drv2605l.pdf?src-supplier=Digikey, ComponentLink2URL=http://www.ti.com/lit/ds/symlink/drv2605l.pdf?src-supplier=Digikey, ComponentLink3Description=http://www.ti.com/general/docs/lit/getliterature.tsp?genericPartNumber=DRV2605L&&fileType=pdf&src-supplier=Avnet, ComponentLink3URL=http://www.ti.com/general/docs/lit/getliterature.tsp?genericPartNumber=DRV2605L&&fileType=pdf&src-supplier=Avnet, Height - Seated (Max)=1.1mm, JESD-30 Code=S-PDSO-G10, JESD-609 Code=e4, Length=3mm, Manufacturer Part Number=DRV2605LDGSR, Moisture Sensitivity Level=2, Pins=10, Pricing="1=2,27, 10=1,61, 50=1,61, 100=1,45, 1000=1,31, 10000=1,3 (USD)", Reach SVHC Compliant=Yes, RoHS=Yes, RoHS Compliant=Yes, Stock=10057, Supplier=Mouser, Surface Mount=Yes, Terminal Finish=Nickel, Terminal Form="Gull Wing", Terminal Pitch=0.5mm, Terminal Position=DUAL, Throw Configuration="ANALOG CIRCUIT", Width=3mm
U9 U10: "IC BATT CNTL LI-ION 1CEL SOT23-5", Case/Package=LSSOP, JLCPCB Part=C424093, Manufacturer=Microchip, Max Operating Temperature=85°C, Max Supply Voltage=6V, Min Operating Temperature=-40°C, Min Supply Voltage=3.75V, Nominal Supply Voltage=5.2V, Package Body Material=Plastic, Package Equivalence Code=TSOP5/6,.11,37, Package Shape=Rectangular, Package Style="SMALL OUTLINE, LOW PROFILE, SHRINK PITCHMeter", Peak Reflow Temperature (Cel)=260°C, Power Supplies=3.3/5V, Supplier Part Number=MCP73831T-2ACI/OTCT-ND, Supply Current-Max (Isup)=1.5mA, Temperature Grade=INDUSTRIAL, Time @ Peak Reflow Temperature-Max (s)=40s, Adjustable Threshold=Yes, Category="Battery Management", Channels=1, ComponentLink1Description=https://datasheet.ciiva.com:443/pdfs/VipMasterIC/IC/MCHP/MCHPS05673/MCHPS05673-1.pdf?src-supplier=IHS+Markit, ComponentLink1URL=https://datasheet.ciiva.com:443/pdfs/VipMasterIC/IC/MCHP/MCHPS05673/MCHPS05673-1.pdf?src-supplier=IHS+Markit, ComponentLink2Description=https://datasheet.ciiva.com/22828/0900766b80d2b53a-22828876.pdf?src-supplier=Rs, ComponentLink2URL=https://datasheet.ciiva.com/22828/0900766b80d2b53a-22828876.pdf?src-supplier=Rs, ComponentLink3Description=https://datasheet.ciiva.com/26344/651521-da-01-en-contr-mcp73831t-2aci-ot-sot-23-5-mcp-26344458.pdf?src-supplier=Conrad, ComponentLink3URL=https://datasheet.ciiva.com/26344/651521-da-01-en-contr-mcp73831t-2aci-ot-sot-23-5-mcp-26344458.pdf?src-supplier=Conrad, ComponentLink4Description=https://datasheet.ciiva.com/1137/630369-1137803.pdf?src-supplier=Element14, ComponentLink4URL=https://datasheet.ciiva.com/1137/630369-1137803.pdf?src-supplier=Element14, ComponentLink5Description=https://datasheet.ciiva.com/46385/630369-46385324.pdf?src-supplier=Element14, ComponentLink5URL=https://datasheet.ciiva.com/46385/630369-46385324.pdf?src-supplier=Element14, ComponentLink6Description=https://datasheet.ciiva.com/16286/filehandler-aspxddocname-en025112-16286957.pdf?src-supplier=Future+Electronics, ComponentLink6URL=https://datasheet.ciiva.com/16286/filehandler-aspxddocname-en025112-16286957.pdf?src-supplier=Future+Electronics, ComponentLink7Description=https://datasheet.ciiva.com/1931/21984e-1931954.pdf?src-supplier=Digikey, ComponentLink7URL=https://datasheet.ciiva.com/1931/21984e-1931954.pdf?src-supplier=Digikey, ComponentLink8Description=https://datasheet.ciiva.com/1931/21984e-1931955.pdf?src-supplier=Digikey, ComponentLink8URL=https://datasheet.ciiva.com/1931/21984e-1931955.pdf?src-supplier=Digikey, ComponentLink9Description=https://datasheet.ciiva.com/1931/21984e-1931953.pdf?src-supplier=Digikey, ComponentLink9URL=https://datasheet.ciiva.com/1931/21984e-1931953.pdf?src-supplier=Digikey, ComponentLink10Description=https://datasheet.ciiva.com/28626/630369-28626439.pdf?src-supplier=Element14, ComponentLink10URL=https://datasheet.ciiva.com/28626/630369-28626439.pdf?src-supplier=Element14, ComponentLink11Description=https://datasheet.ciiva.com/1144/630369-1144461.pdf?src-supplier=Newark, ComponentLink11URL=https://datasheet.ciiva.com/1144/630369-1144461.pdf?src-supplier=Newark, Height - Seated (Max)=1.45mm, JESD-30 Code=R-PDSO-G5, JESD-609 Code=e3, Length=2.95mm, Manufacturer Part Number=MCP73831T-2ACI/OT, Moisture Sensitivity Level=1, Number of Channels=1, Pins=5, Pricing="1=0,76, 25=0,63, 100=0,6125 (USD)", Qualification Status="Not Qualified", Reach SVHC Compliant=Yes, RoHS=Yes, RoHS Compliant=Yes, Stock=84522, Supplier=Digikey, Surface Mount=Yes, Terminal Finish=Tin, Terminal Form="Gull Wing", Terminal Pitch=0.95mm, Terminal Position=DUAL, Throw Configuration="POWER SUPPLY SUPPORT CIRCUIT", Width=1.65mm

## Via types
v1: diameter 0.6, hole 0.25, Top Layer to Bottom Layer, tented both sides, 260 vias
v2: diameter 0.6, hole 0.25, Top Layer to Bottom Layer, 5 vias

## Nets (pads, with @x,y where several pads share a name; then routed paths per layer and width w, separated by ;. In a path a pad name is that pad's centre, name@x,y a point inside that pad or via, vN(x,y) a via of type N, cw(c..) or ccw(c..) an arc to the next point about the centre after c; other vN are vias at no path point)
CHIP_PU: C1.2 Q1.3 R1.1 SW1.2 U2.8 | length 37.7
  Top Layer w0.152: v1(49.75,28.5) 49.25,28 R1.1@49.25,27.25 C1.2@51,27.25 51.75,27.25 52.925,28.425 U2.8@53.575,28.425 ; SW1.2@73.05,35.3 73.075,35.275 74.225,35.275 v1(74.25,35.25) 74.977,34.523 75.776,34.523 Q1.3@75.799,34.5
  Bottom Layer w0.152: v1(49.75,28.5) 49.75,30.25 54.75,35.25 v1(74.25,35.25)